# Altium PCB EnvUnitPCB.PcbDoc (part 1 of 4)
Units mm, origin at the board's own origin, x right, y up, seen from the top; angles counter-clockwise.
Board outline 110.5 x 67 mm, 4 copper layers (TOP, GND, VCC, BOT), stack 1.586 mm thick; 184 components, 135 nets, 655 pads, 1338 vias.
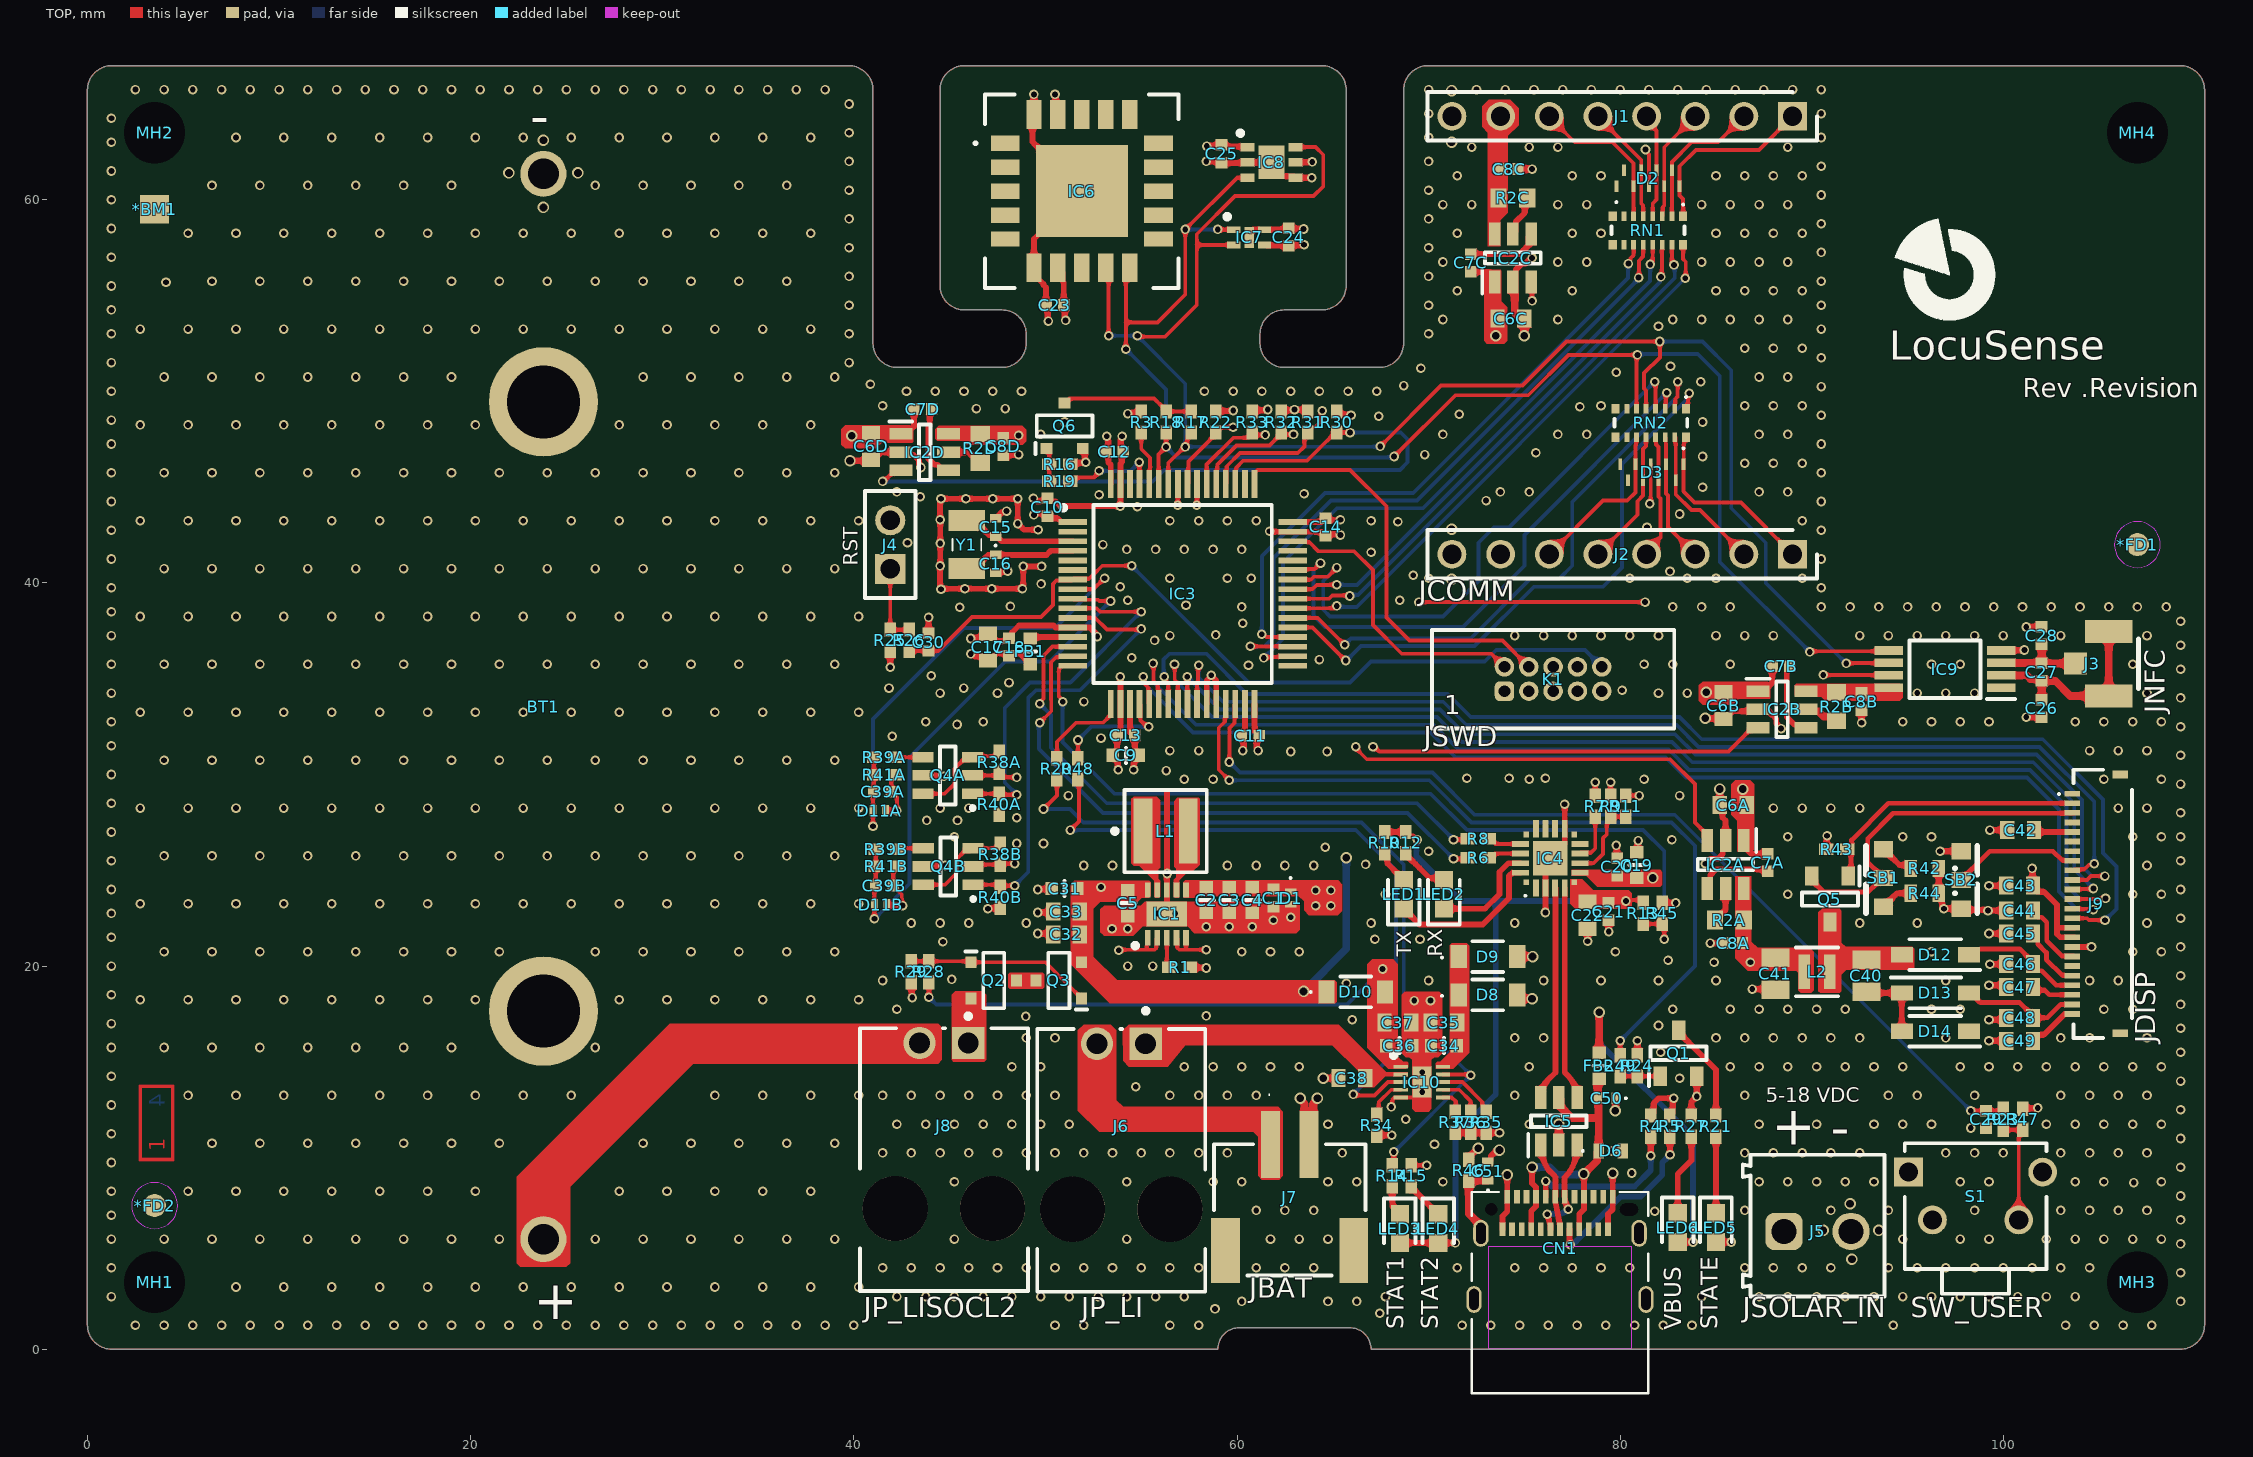
[diagram p0: TOP view]
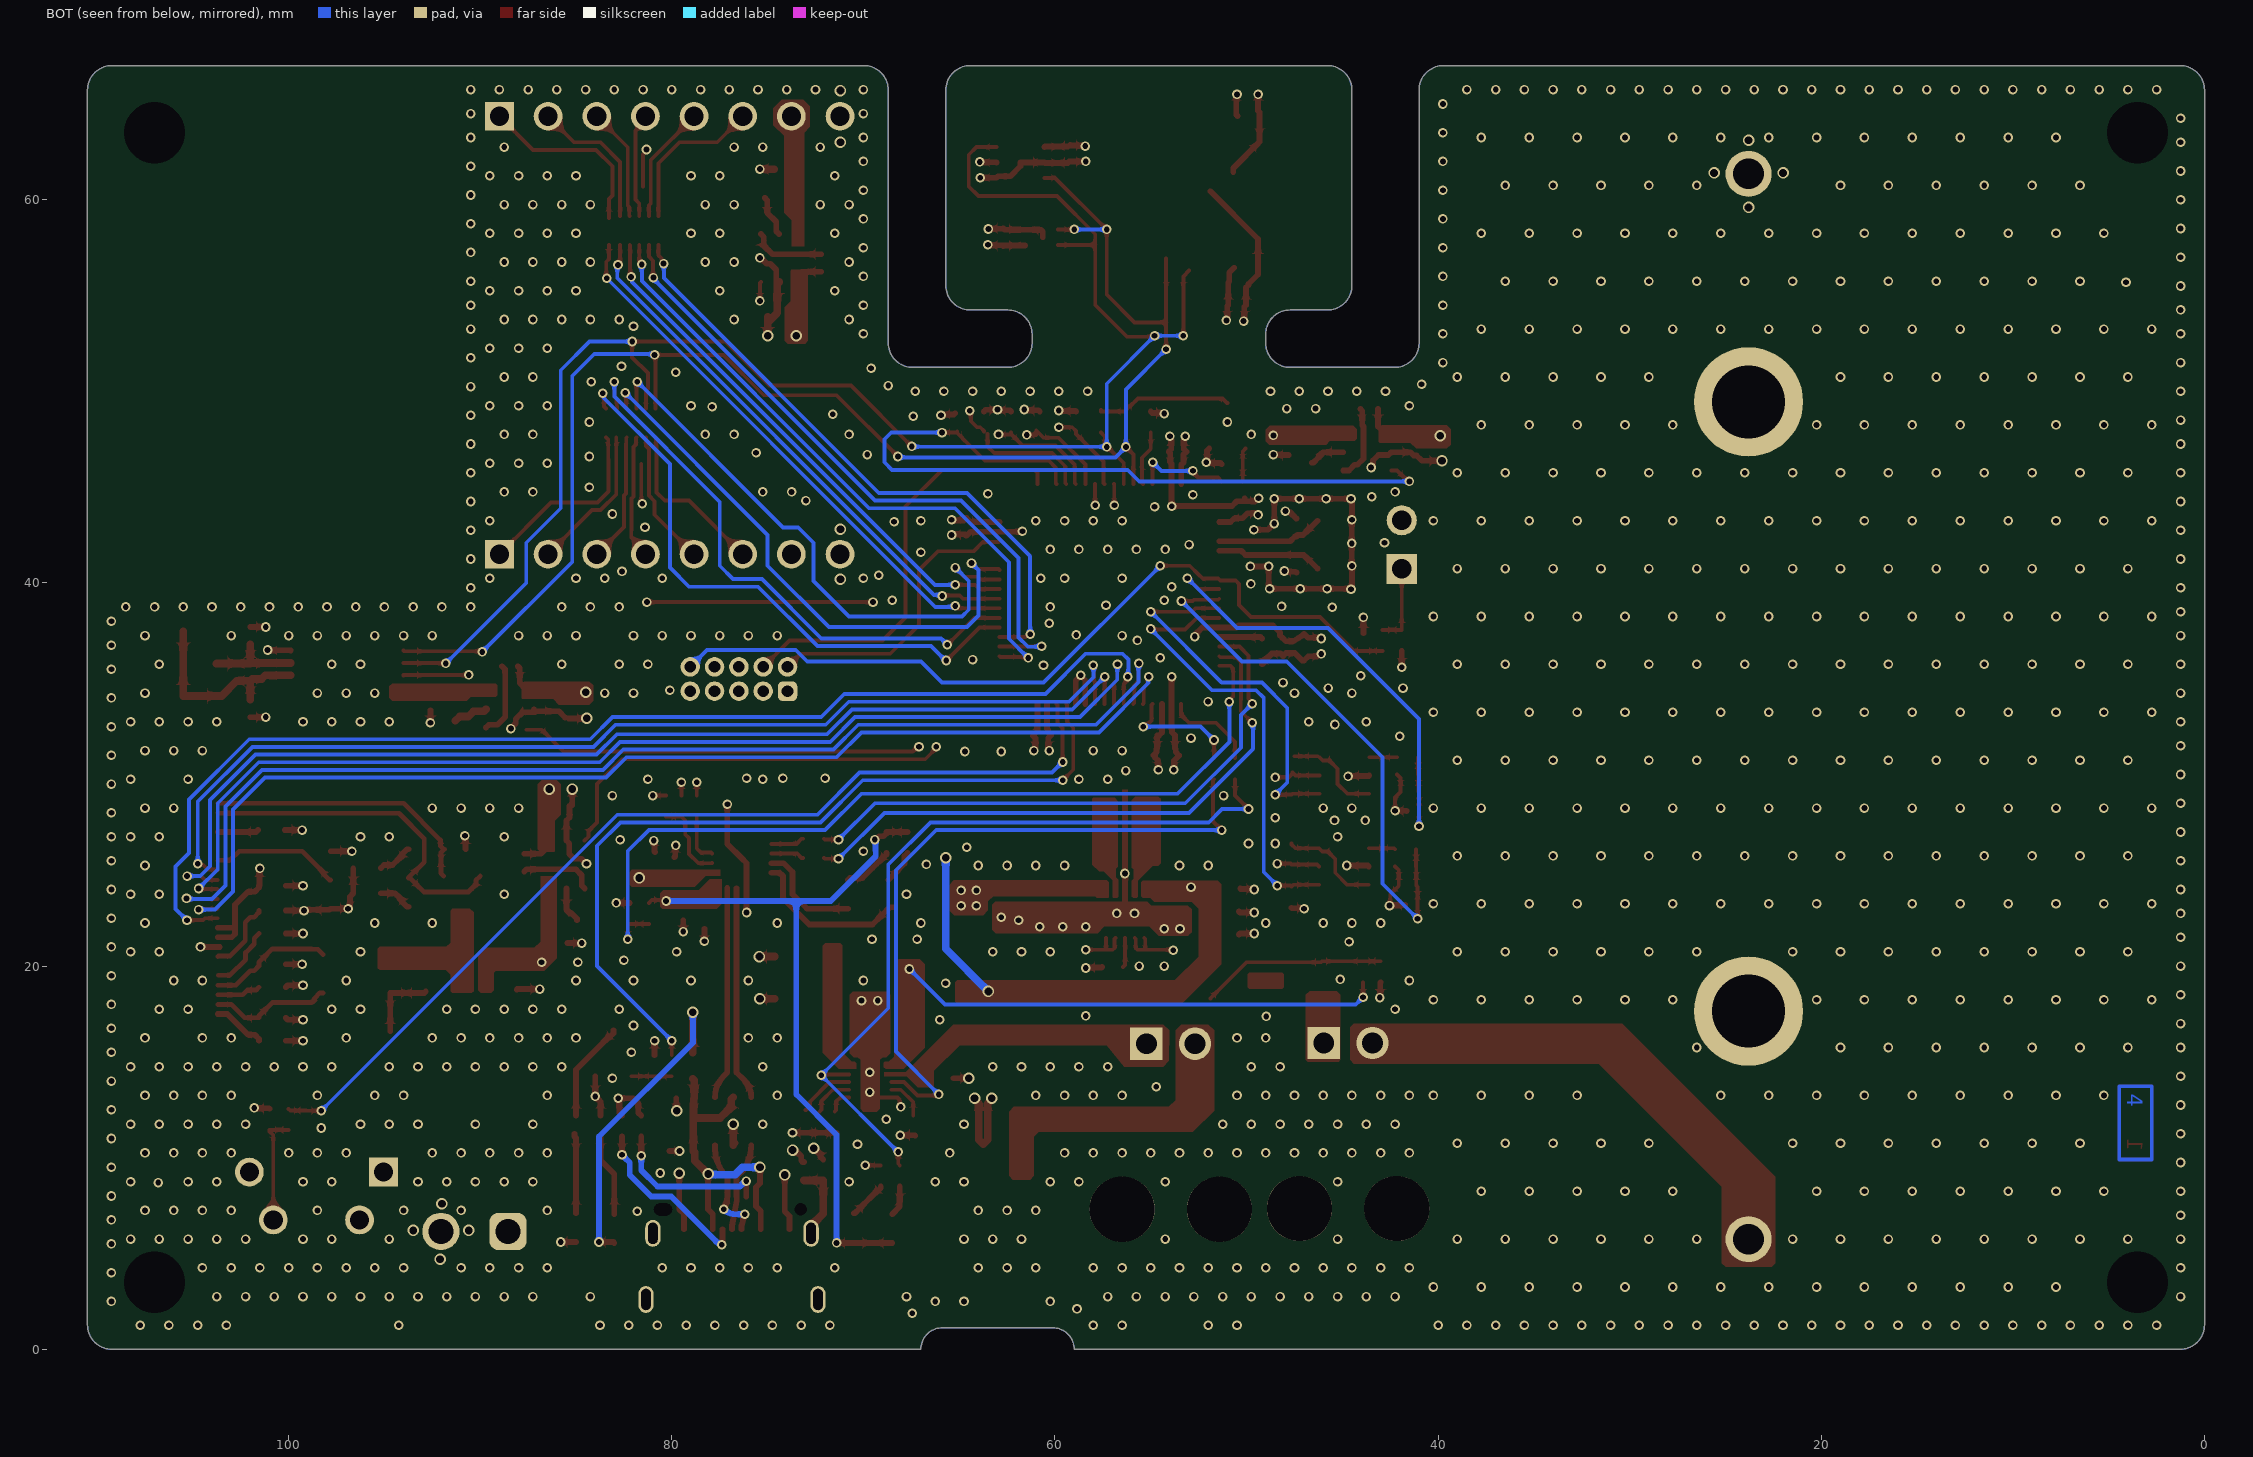
[diagram p1: BOT view, seen from below]
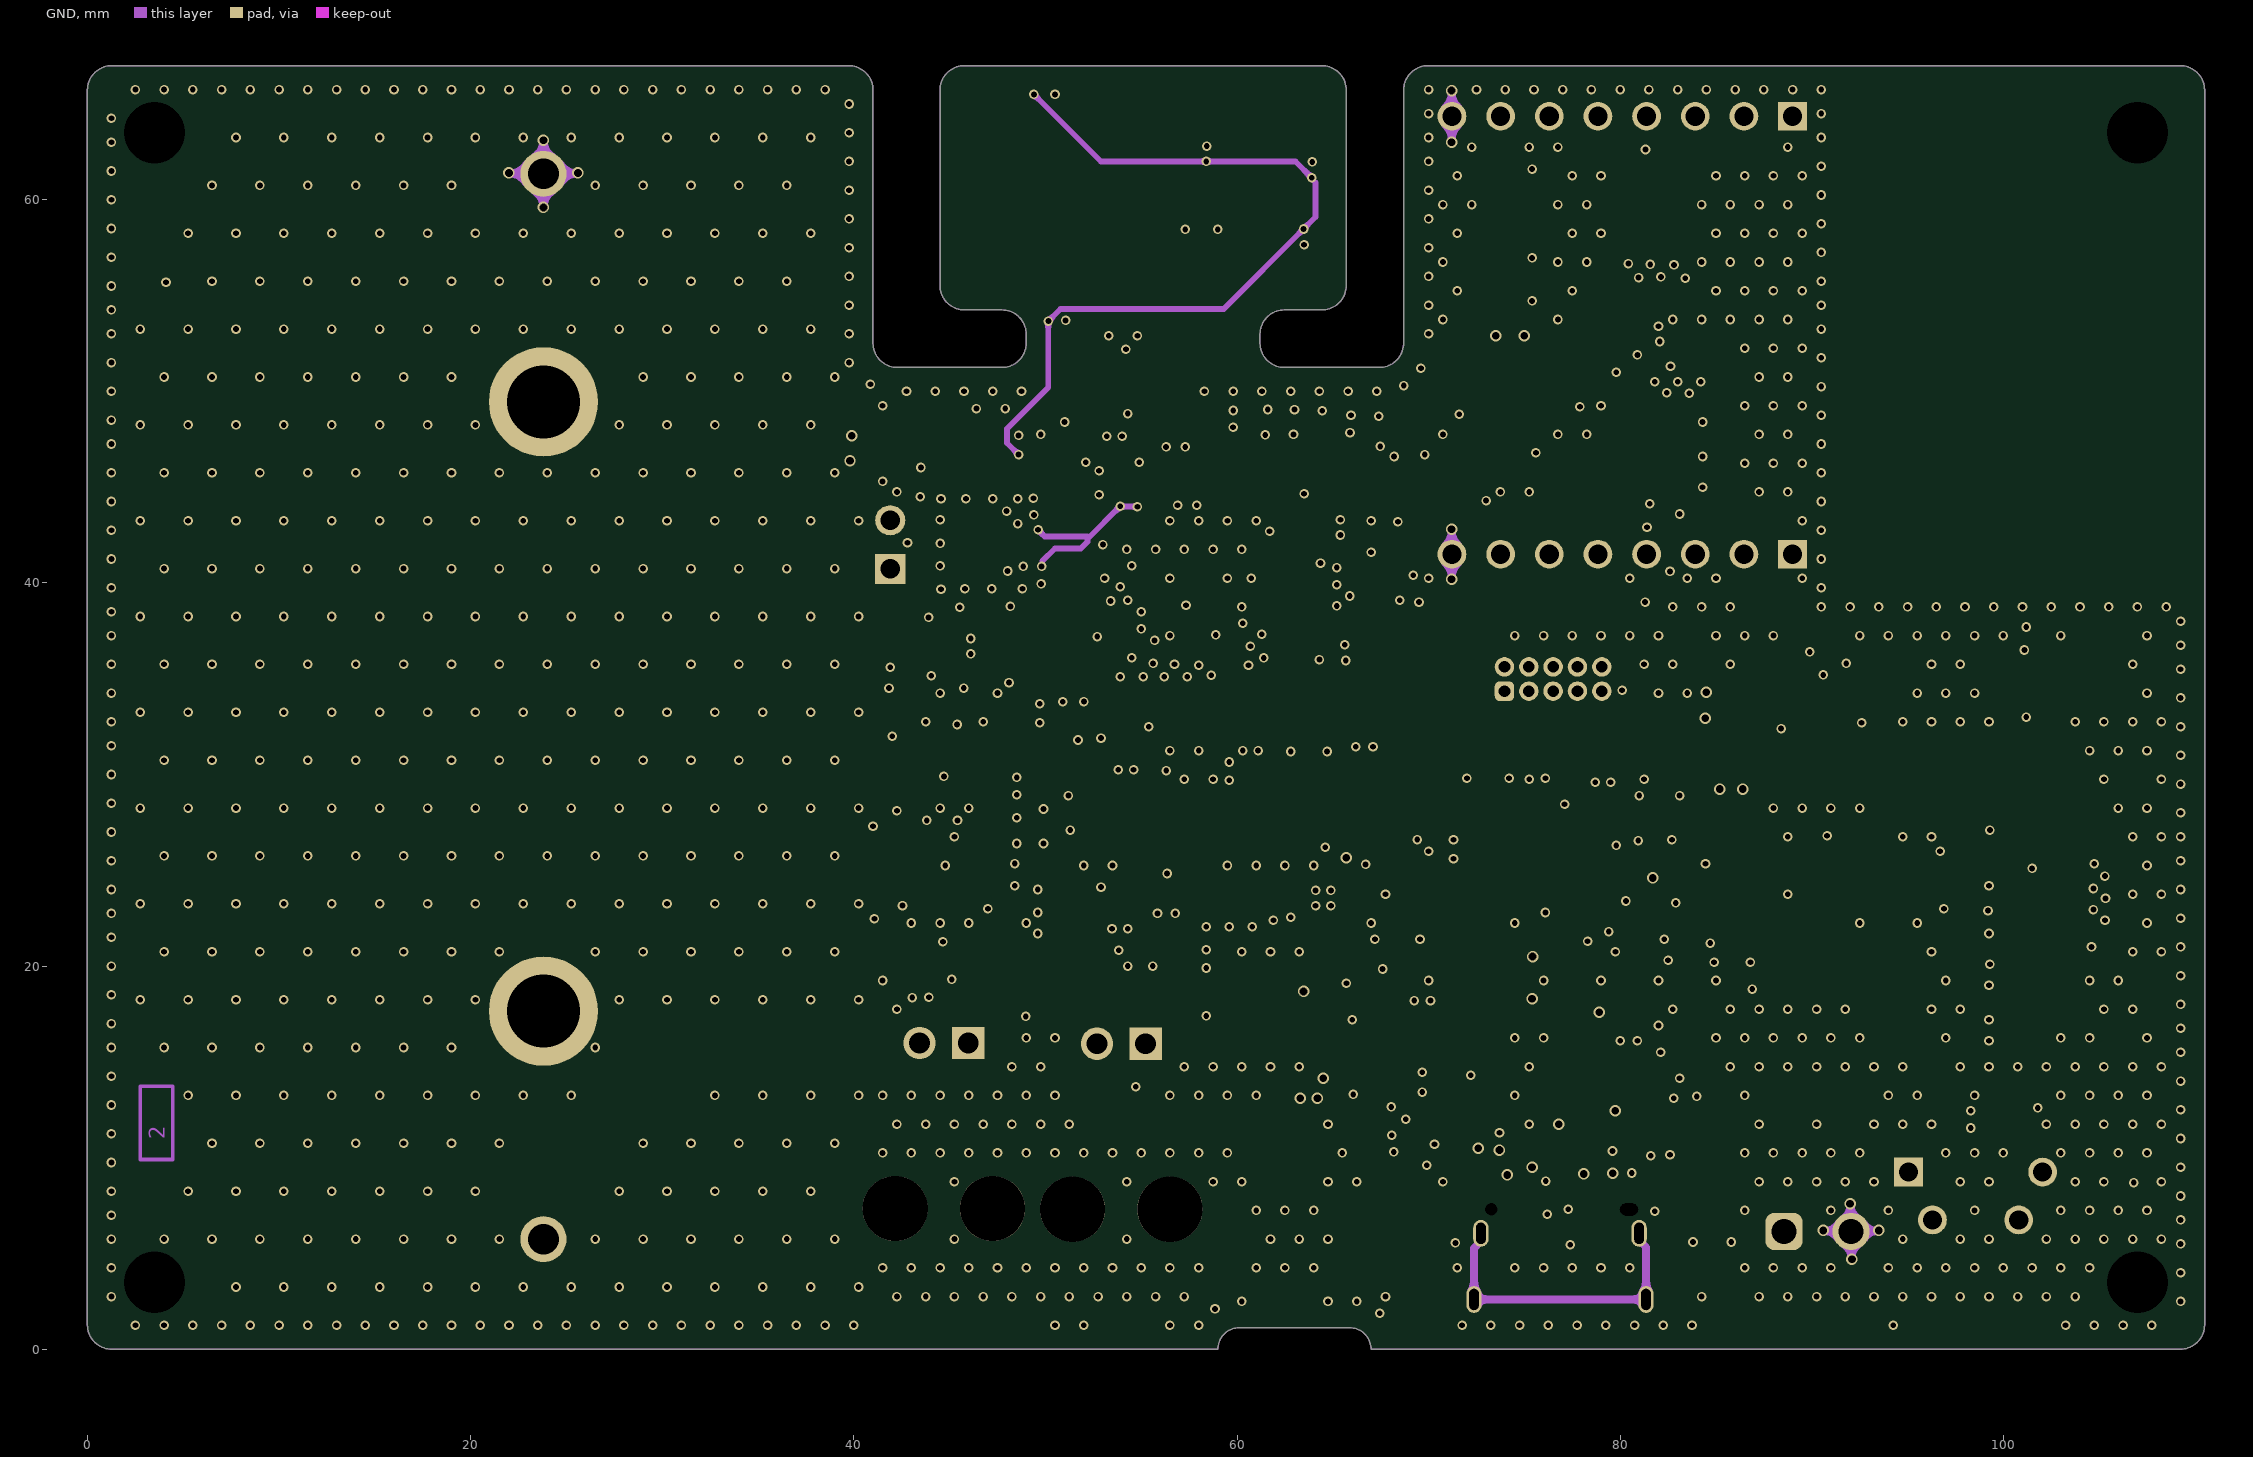
[diagram p2: GND]
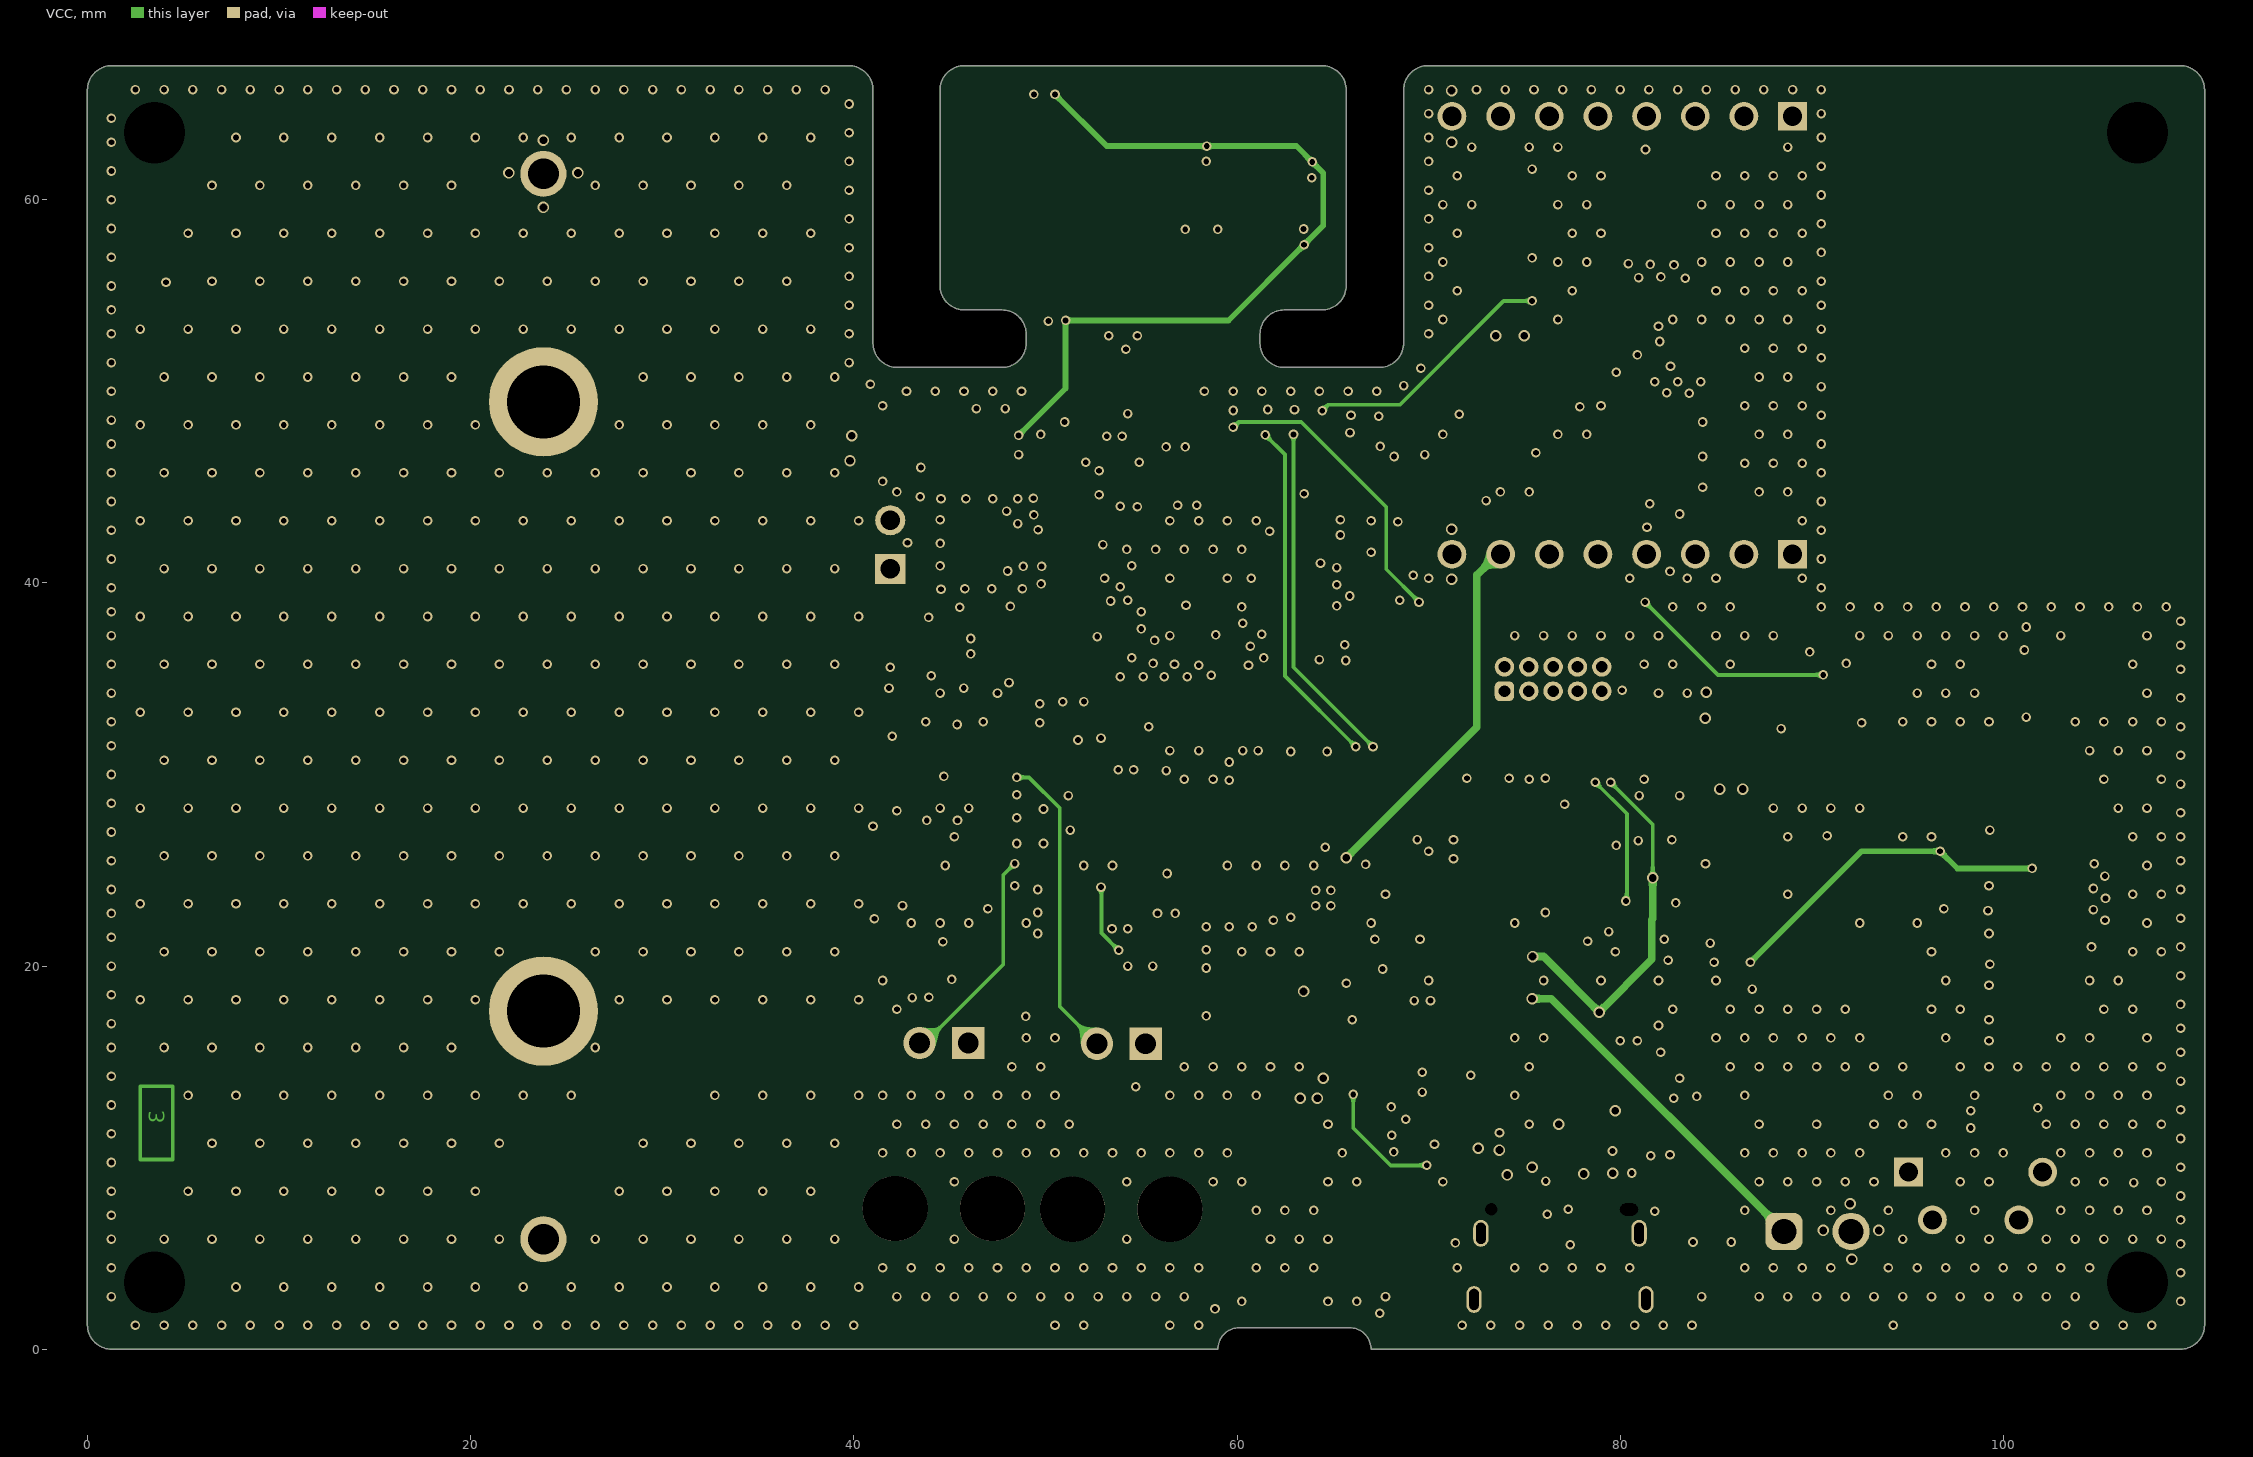
[diagram p3: VCC]